# KiCad board Neptune.kicad_pcb (continued)
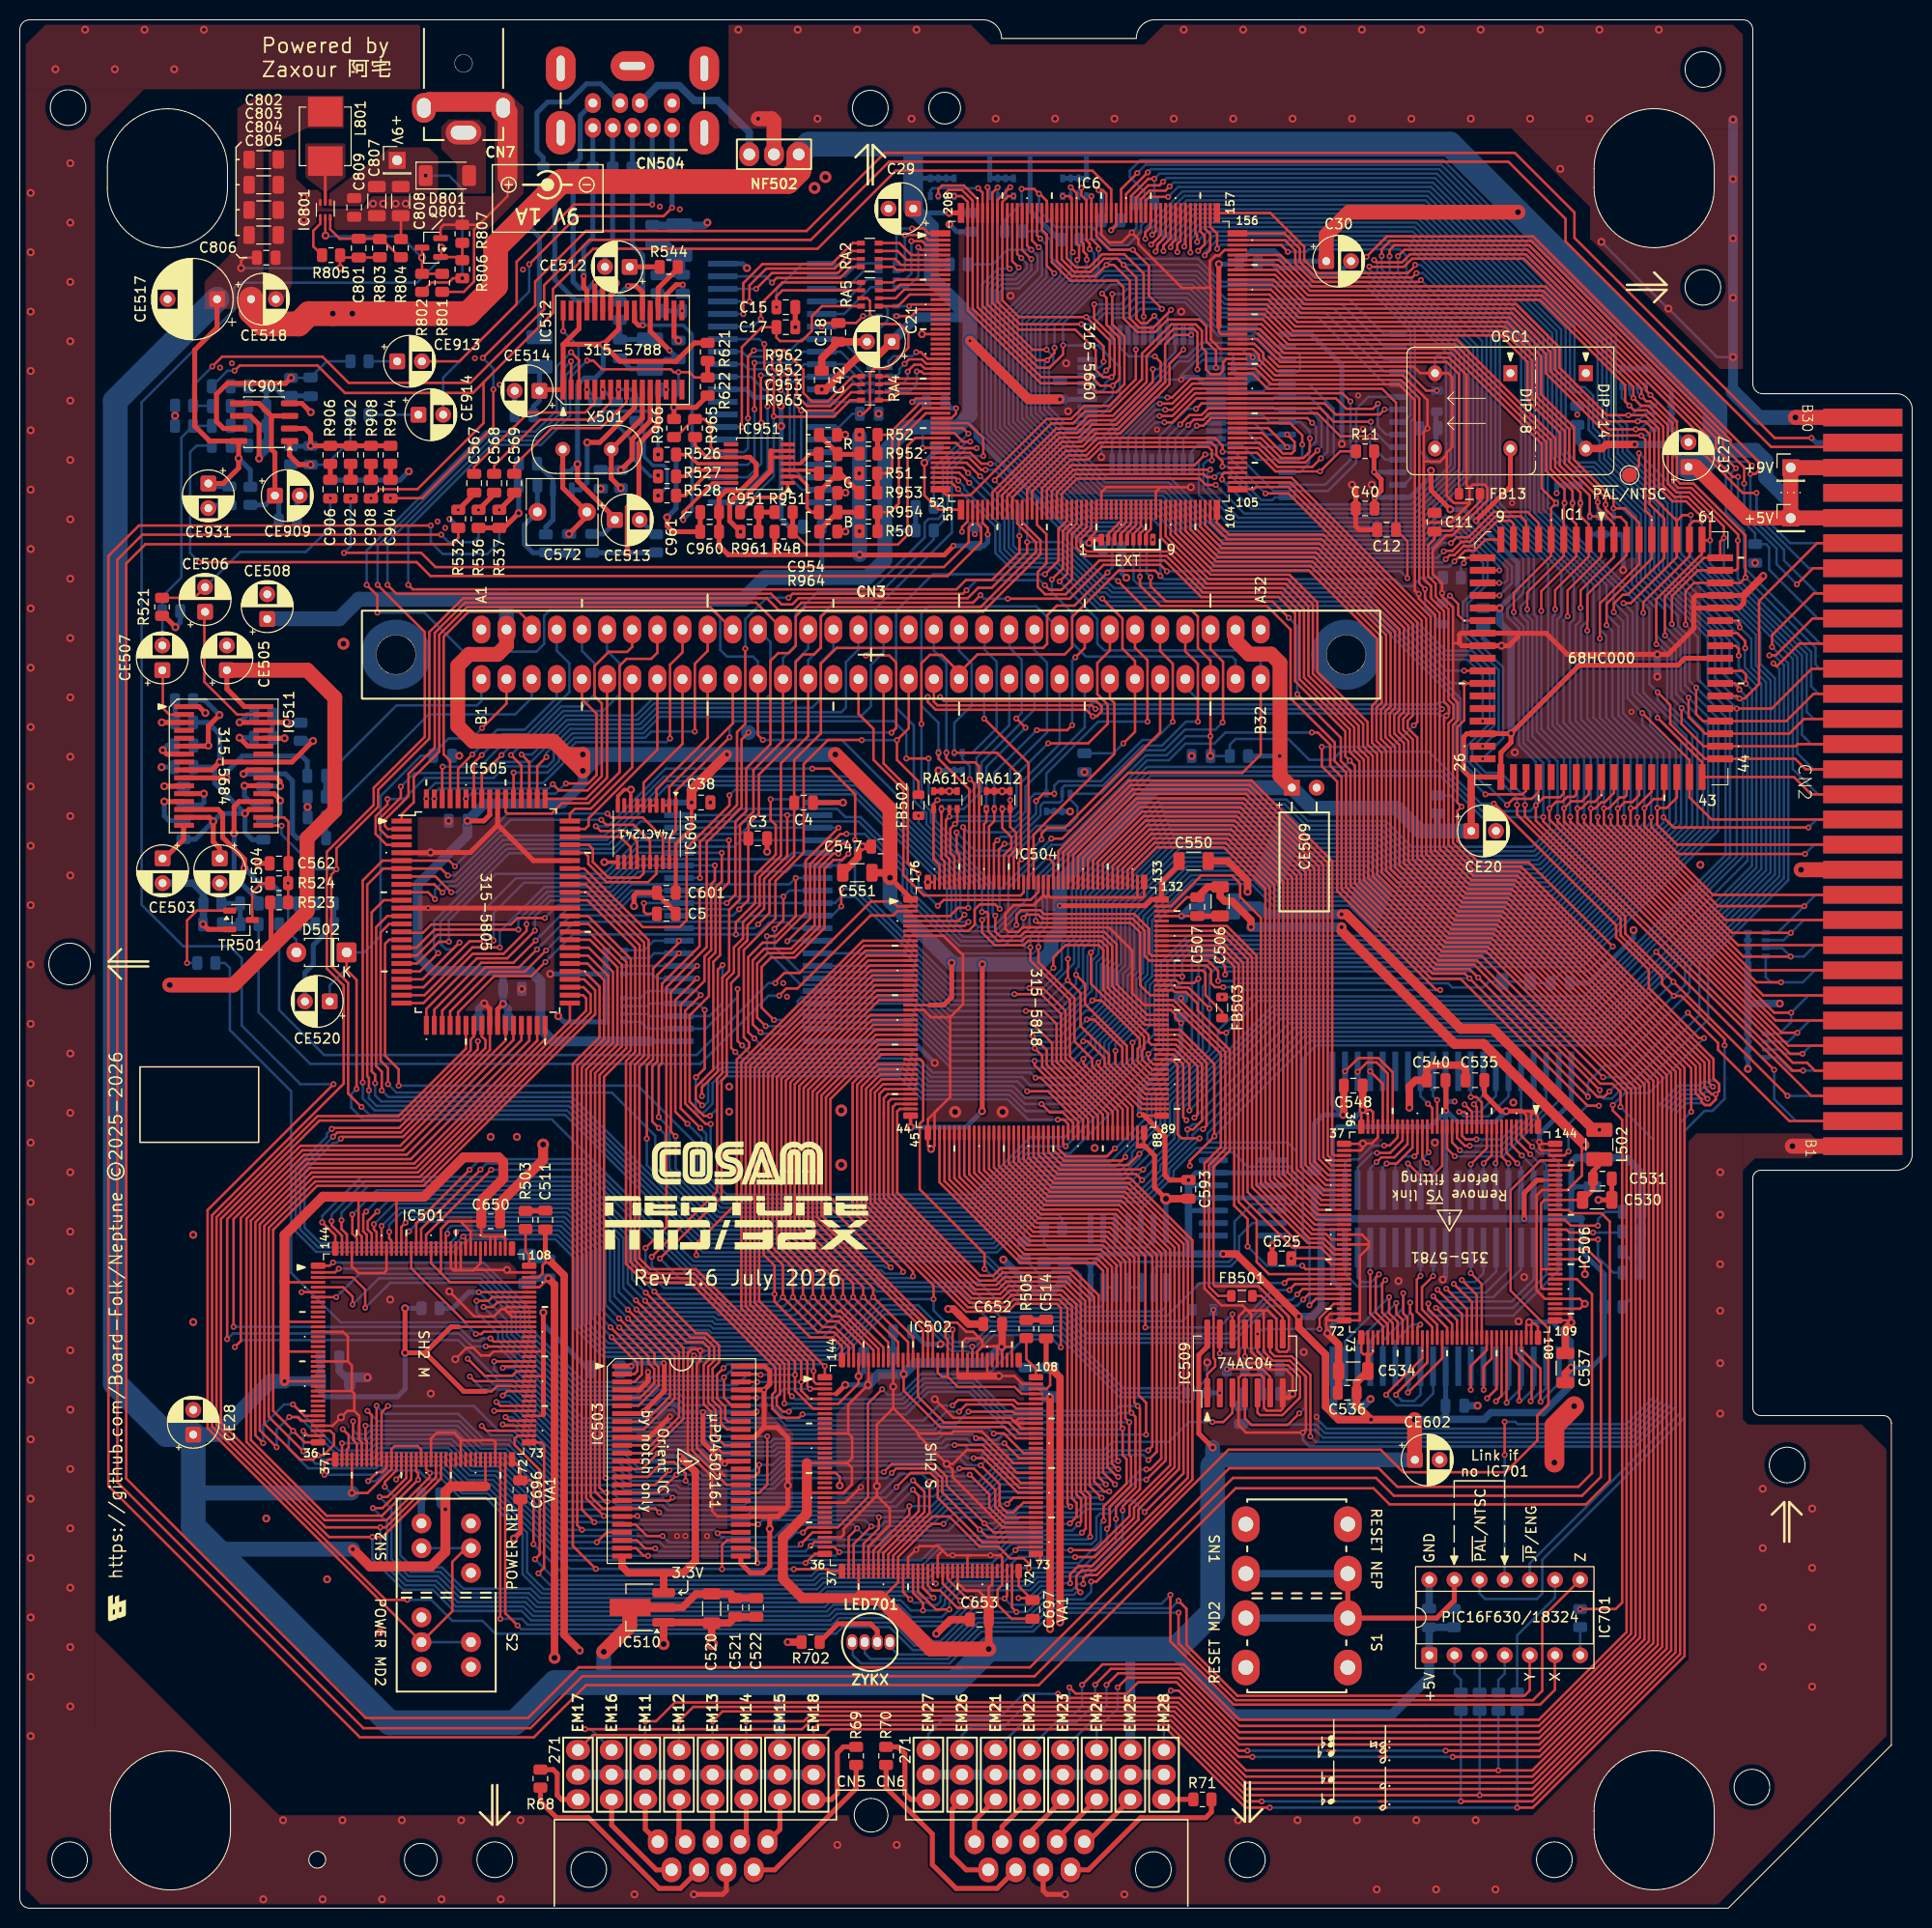
[diagram p0: board, top side]
## Routing (per net, layer and track width the routed paths; a pad name or vN(x,y) marks a point on that pad's centre or on a via; arc(x,y) is an arc through that point) (continued)
Net-(IC504B-VINT): length 48.7
  Top w0.25: IC506.63 126.2,64.1 124.97,65.33 124.97,69.58 123.15,71.4 123.15,95.39 121.24,97.3 IC504.123
Net-(IC506-COMP): length 8
  Top w0.25: v1(159.45,69) 156.7,69 156.1,69.6 155.12,69.6
  Bottom w0.25: C532.1 160.2,70.4 159.45,69.65 v1(159.45,69)
Net-(IC506-EA0): length 7.2
  Top w0.25: v1(141.5,59) 141.21,58.71 IC506.84
  Bottom w0.25: v1(141.5,59) 140.65,59 138.98,57.34 138.98,54.8
Net-(IC506-EA1): length 11.2
  Top w0.25: v1(140.48,61.22) 140.48,60.22 140.71,59.99 IC506.83
  Bottom w0.25: IC508.16 137.72,57.37 140.48,60.13 v1(140.48,61.22)
Net-(IC506-EA2): length 13.4
  Top w0.25: IC506.82 140.21,59.69 139.78,60.12 v1(139.78,62.18)
  Bottom w0.25: IC508.17 136.45,57.34 139.78,60.68 v1(139.78,62.18)
Net-(IC506-EA3): length 11.7
  Top w0.25: IC506.81 139.71,59.49 139.08,60.12 v1(139.08,61.18)
  Bottom w0.25: v1(139.08,61.18) 135.17,57.28 IC508.18
Net-(IC506-EA4): length 13.3
  Top w0.25: IC506.80 139.21,59.29 138.35,60.15 v1(138.35,61.78)
  Bottom w0.25: 133.91,54.8 133.91,57.33 v1(138.35,61.78)
Net-(IC506-EA5): length 13.9
  Top w0.25: IC506.79 138.71,59.15 137.65,60.21 137.65,63.18 v1(137.97,63.5)
  Bottom w0.25: v1(137.97,63.5) 137.33,62.85 135.15,62.85 133.91,64.09 133.91,66.8
Net-(IC506-EA6): length 12.7
  Top w0.25: v1(137.33,64.08) 137,63.75 137,60.23 138.21,59.01 IC506.78
  Bottom w0.25: v1(137.33,64.08) 136.55,63.3 135.62,63.3 135.17,63.74 IC508.23
Net-(IC506-EA7): length 9.6
  Top w0.25: v1(136.45,64.3) 136.45,60.11 137.71,58.84 IC506.77
  Bottom w0.25: v1(136.45,64.3) IC508.24
Net-(IC506-IREF): length 9.3
  Top w0.25: v1(159.45,67.6) 155.12,67.6
  Bottom w0.25: v1(159.45,67.6) 159.45,65.8 161,64.25 R509.2
Net-(IC506-OA0): length 8
  Top w0.25: v1(140.9,76) 141.21,76.31 IC506.25
  Bottom w0.25: IC507.15 138.98,75.14 139.84,76 v1(140.9,76)
Net-(IC506-OA1): length 8.2
  Top w0.25: IC506.26 140.71,76.89 139.1,75.28 v1(138.1,75.28)
  Bottom w0.25: v1(138.1,75.28) 137.71,74.89 IC507.16
Net-(IC506-OA2): length 8.7
  Top w0.25: IC506.27 140.21,77.24 138.87,75.9 137.56,75.9 v1(137.08,75.42)
  Bottom w0.25: v1(137.08,75.42) 136.44,74.78 IC507.17
Net-(IC506-OA3): length 9.3
  Top w0.25: v1(137.12,76.35) 138.45,76.35 139.71,77.61 IC506.28
  Bottom w0.25: v1(137.12,76.35) 136.65,76.35 135.17,74.87 IC507.18
Net-(IC506-OA4): length 10.2
  Top w0.25: IC506.29 139.21,77.91 138.4,77.1 v1(137.85,77.1)
  Bottom w0.25: IC507.19 133.9,75.33 134.28,75.7 135.26,75.7 136.66,77.1 v1(137.85,77.1)
Net-(IC506-OA5): length 11.5
  Top w0.25: IC506.30 138.71,84.51 137.28,85.95 135.25,85.95 v1(133.9,84.6)
Net-(IC506-OA6): length 9.3
  Top w0.25: v1(135.17,84.55) 136.12,85.5 137.09,85.5 138.21,84.38 IC506.31
  Bottom w0.25: v1(135.17,84.55) IC507.23
Net-(IC506-OA7): length 6.1
  Top w0.25: v1(136.44,84.6) 137.71,83.33 IC506.32
Net-(IC506-VREF): length 15.3
  Top w0.25: v1(158.95,68.3) 156.58,68.3 156.28,68.6 155.12,68.6
  Bottom w0.25: v1(158.95,68.3) 161.8,68.3 C533.1 161.94,68.36 R508.2 162.78,65.51 162.78,61.61 R507.1
Net-(IC506-~{ECAS}): length 10.2
  Top w0.25: v1(142.79,63.9) 141.67,62.78 141.67,60.53 143.21,58.99 IC506.88
  Bottom w0.25: v1(142.79,63.9) IC508.29
Net-(IC506-~{ELWR}): length 13
  Top w0.25: IC506.86 142.21,55.16 139.05,52 v1(139.05,51.9)
  Bottom w0.25: v1(139.05,51.9) 139.67,51.28 140.87,51.28 141.53,51.93 IC508.13
Net-(IC506-~{EOE}): length 9.9
  Top w0.25: IC506.87 142.71,58.75 141.15,60.31 141.15,63.55 v1(141.53,63.93)
  Bottom w0.25: v1(141.53,63.93) IC508.28
Net-(IC506-~{ERAS}): length 9.7
  Top w0.25: IC506.89 143.71,55.59 v1(140.25,52.12)
  Bottom w0.25: 140.25,54.8 140.25,52.13 v1(140.25,52.12)
Net-(IC506-~{EUWR}): length 15.8
  Top w0.25: IC506.85 141.71,55.61 138.05,51.95 v1(138.05,51.9)
  Bottom w0.25: v1(138.05,51.9) 139.12,50.83 141.6,50.83 142.79,52.02 IC508.12
Net-(IC506-~{OCAS}): length 5.8
  Top w0.25: IC506.21 143.21,81.69 v1(143.2,81.7)
  Bottom w0.25: v1(143.2,81.7) 142.79,82.11 IC507.29
Net-(IC506-~{OLWR}): length 6.8
  Top w0.25: v1(142.35,76.4) 142.21,76.54 IC506.23
  Bottom w0.25: IC507.13 141.52,75.57 v1(142.35,76.4)
Net-(IC506-~{OOE}): length 6.1
  Top w0.25: IC506.22 142.71,80.89 v1(142.28,81.33)
  Bottom w0.25: v1(142.28,81.33) 141.52,82.08 IC507.28
Net-(IC506-~{ORAS}): length 11
  Top w0.25: v1(140.25,75.28) 141.43,74.1 142.78,74.1 143.71,75.04 IC506.20
  Bottom w0.25: v1(140.25,75.28) IC507.14
Net-(IC506-~{OUWR}): length 6.9
  Top w0.25: v1(142.18,75.35) 141.71,75.81 IC506.24
  Bottom w0.25: v1(142.18,75.35) 142.79,74.74 IC507.12
Net-(IC509-Pad4): length 15.3
  Top w0.25: v1(129.28,50.03) 128.1,48.85 124.45,48.85 123.79,49.51 123.79,51.62
  Bottom w0.25: R506.1 129.21,54.49 129.9,53.8 129.9,50.65 v1(129.28,50.03)
Net-(IC509-Pad6): length 6.8
  Top w0.25: v1(121.97,54.49) 125.55,54.49 126.33,53.72 126.33,51.62
Net-(IC509-Pad11): length 7.9
  Top w0.25: v1(123.79,55.78) 123.79,58.54
  Bottom w0.25: R561.1 123.79,52.86 123.38,52.44 R562.2
  Bottom w0.5: v1(123.79,55.78) 123.79,55.77 R561.1
Net-(IC511-CDIN1): length 51.5
  Top w0.5: CE504.1 20.2,107.15 19.55,107.8 v2(19.55,109.87) 19.15,110.27 IC511.15 ; v2(29.62,118) 27.5,115.87 IC511.25 v2(20.2,115.87) 19.4,115.07 IC511.9 ; v2(22.75,110.67) 23.15,111.07 IC511.19
  Bottom w0.5: R518.1 28.39,118 v2(29.62,118) ; C558.2 23.5,108.02 22.75,108.77 v2(22.75,110.67) ; R520.1 19,119.87 20.2,118.67 v2(20.2,115.87) ; v2(22.75,110.67) 19.7,113.72 19.7,115.37 v2(20.2,115.87) ; v2(22.75,110.67) 20.35,110.67 v2(19.55,109.87) 17.75,108.07 C561.2 ; C563.2 19.68,115.35 v2(20.2,115.87)
Net-(IC511-FMIN1): length 16.1
  Top w0.5: v2(22.7,105.15) 22.7,106.05 20.5,108.25 20.5,110.6 20.03,111.07 IC511.14
  Bottom w0.5: v2(22.7,105.15) 24.4,103.45 25.55,103.45 26.16,102.84 C590.2
Net-(IC511-FMIN2): length 14
  Top w0.5: IC511.20 22.15,111.87 21.65,111.37 v2(21.65,108.67)
  Bottom w0.5: v2(21.65,108.67) 21.65,104.33 24.16,101.81 C588.2
Net-(IC511-HPIN1): length 5.8
  Top w0.5: IC511.3 v2(14.35,119.87)
  Bottom w0.5: v2(14.35,119.87) R520.2 R519.1
Net-(IC511-HPIN2): length 8
  Top w0.5: v2(22.2,119.87) IC511.30 v2(26.97,119.87)
  Bottom w0.5: R518.2 28.34,119.87 v2(26.97,119.87) ; v2(22.2,119.87) 23,120.67 R517.1
Net-(IC511-HPO1): length 6.3
  Top w0.25: IC511.2 15.1,120.67 14.45,121.33 14.45,125.1 CE507.1
Net-(IC511-HPO2): length 14.4
  Top w0.25: CE506.1 18.65,130.98 18.65,123.98 21.95,120.67 IC511.31
Net-(IC511-LFB1): length 5.1
  Top w0.5: IC511.12 v2(18.6,112.67)
  Bottom w0.5: C560.2 18.35,111.52 18.6,111.77 v2(18.6,112.67)
Net-(IC511-LFB2): length 5.2
  Top w0.5: v2(22.7,113.47) IC511.22
  Bottom w0.5: C559.2 23.6,111.52 22.7,112.42 v2(22.7,113.47)
Net-(IC511-LPF1): length 5.6
  Top w0.5: v2(14.6,111.87) IC511.13
  Bottom w0.5: v2(14.6,111.87) 14.6,110.42 15.05,109.97 C561.1
Net-(IC511-LPF2): length 5.4
  Top w0.5: v2(26.3,111.97) 26.3,112.06 25.69,112.67 IC511.21
  Bottom w0.5: C558.1 25.7,109.92 26.3,110.52 v2(26.3,111.97)
Net-(IC511-LPIN1): length 3.7
  Top w0.5: IC511.7 14.84,116.67 v2(14.44,117.07)
  Bottom w0.5: v2(14.44,117.07) 14.92,117.55 C557.2
Net-(IC511-LPIN2): length 4.2
  Top w0.5: v2(22.2,118.32) 23.05,117.47 IC511.27
  Bottom w0.5: v2(22.2,118.32) C556.2
Net-(IC511-LPO1): length 4
  Top w0.5: IC511.11 C560.1 v2(14.6,113.42)
  Bottom w0.5: C560.1 v2(14.6,113.42)
Net-(IC511-LPO2): length 4
  Top w0.5: IC511.23 25.95,114.27 26.3,113.92 v2(26.3,113.42)
  Bottom w0.5: C559.1 v2(26.3,113.42)
Net-(IC511-MOUT1): length 10.8
  Top w0.5: v2(20.17,120.62) 19.05,119.5 v2(19.05,117.53) 19,117.47 IC511.6
  Bottom w0.5: R519.2 18.68,122.12 v2(20.17,120.62) ; v2(19.05,117.53) 17.57,117.53 C557.1
Net-(IC511-MOUT2): length 5.7
  Top w0.5: IC511.28 v2(26.75,118.27)
  Bottom w0.5: v2(26.75,118.27) 25.6,118.27 C556.1 25.51,118.36 R517.2
Net-(IC511-REFIN): length 4.4
  Top w0.5: IC511.16 16.55,109.42 16.55,108.05 14.62,106.12 CE503.1
Net-(IC511-ROMIN1): length 15.4
  Top w0.5: v2(20.88,114.25) 20.85,114.27 IC511.10
  Bottom w0.5: v2(20.88,114.25) 20.88,114.84 22.5,116.47 28.5,116.47 29.05,115.92 C591.2
Net-(IC511-ROMIN2): length 14.4
  Top w0.5: v2(22.6,114.67) 23,115.07 IC511.24
  Bottom w0.5: v2(22.6,114.67) 26.83,114.67 27.55,113.95 27.55,108.65 28.03,108.17 C589.2
Net-(IC512-BIN1): length 2.8
  Bottom w0.35: v1(60.5,153.52) 61.81,153.52 62.3,153.03 C566.2
Net-(IC512-BIN2): length 16.1
  Top w0.25: C569.2 49.95,145.82 53.75,149.62 58.67,149.62 61.3,152.25 IC512.9
Net-(IC512-CIN): length 4.6
  Top w0.5: v1(66.99,164.12) 66.32,164.12 65.3,163.1 IC512.19
  Bottom w0.5: v1(66.99,164.12) 66.99,163.23 C577.1
Net-(IC512-COUT): length 4.3
  Top w0.5: v1(66.92,161.48) 66.92,161.49 IC512.17
  Bottom w0.5: 64.7,163.2 64.42,163.2 ; v1(66.92,161.48) C576.2 64.42,162.07 R547.1
Net-(IC512-GIN1): length 1.8
  Bottom w0.35: C565.2 60.14,152.28 v1(58.9,153.52)
Net-(IC512-GIN2): length 16.5
  Top w0.25: C568.2 47.93,145.82 52.58,150.48 57.95,150.48 59.7,152.23 IC512.7
Net-(IC512-PDO): length 24.3
  Top w0.5: v2(61.39,137.03) 61.38,137.04 61.38,141.62 62.55,142.8 62.55,148.07 64.5,150.03 IC512.13
  Bottom w0.5: R549.1 64.26,137.03 v2(61.39,137.03) C579.1
Net-(IC512-RIN1): length 1.6
  Bottom w0.35: C564.2 58.12,152.69 v1(57.3,153.52)
Net-(IC512-RIN2): length 16.9
  Top w0.25: C567.2 45.91,145.7 51.41,151.2 57.12,151.2 58.1,152.18 IC512.5
Net-(IC512-VIN): length 0.7
  Bottom w0.5: C621.2 65.29,153.53 v1(65.3,153.52)
Net-(IC512-VOUT): length 5.2
  Top w0.5: R544.1 66.48,165.76 64.5,163.78 IC512.20
Net-(IC512-YA): length 14
  Top w0.5: IC512.10 62.1,151.68 58.6,148.18 v2(57.32,148.18)
  Bottom w0.5: 55.78,143.39 56.59,143.39 57.32,144.12 v2(57.32,148.18)
Net-(IC512-YB): length 11.7
  Top w0.5: v2(60.72,143.56) 59.75,144.53 X501.2 62.9,150.62 IC512.11
Net-(IC512-YC): length 11.4
  Top w0.5: v2(60.72,145.39) 61.85,146.51 61.85,148.48 63.7,150.32 IC512.12
  Bottom w0.5: C573.2 58.71,145.39 v2(60.72,145.39)
Net-(IC512-YIN): length 12.9
  Top w0.5: v1(65.65,157.48) 63.7,159.43 IC512.21
  Bottom w0.5: 60.65,156.68 61.71,155.61 L605.2 64.31,155.61 65.28,156.57 C575.1 v1(65.65,157.48)
Net-(IC512-YOUT): length 5.5
  Top w0.5: v1(61.45,164) 62.28,164 62.9,163.38 IC512.22
  Bottom w0.5: v1(61.45,164) 60.62,163.18 R545.1
Net-(IC515A-~{Q}): length 17.1
  Bottom w0.25: IC516.9 114.53,64.6 114.82,64.89 122.36,64.89 123.19,65.72 123.19,67.91 124.54,69.26 IC515.6
Net-(IC515A-~{R}): length 21.7
  Bottom w0.25: IC516.3 IC516.4 IC516.5 ; 113.26,68.66 113.26,70.69 116.57,74 116.57,74.54 118.88,76.85 126.13,76.85 126.54,76.44 IC515.1
Net-(IC516-Pad1): length 10.8
  Bottom w0.25: R559.2 101.47,68.33 103.26,70.12 104.91,70.12 105.31,69.72 R560.1 105.32,68.71 IC516.1 IC516.2
Net-(IC516-Pad6): length 14.2
  Bottom w0.25: R560.2 103.49,67.21 103.92,66.78 113.74,66.78 114.53,67.57 IC516.6
Net-(IC516-Pad10): length 1.3
  Bottom w0.25: IC516.10 IC516.11
Net-(IC701-RA0): length 42.2
  Top w0.5: 134.17,34.35 S1.2 143.16,29.33 144.94,31.12 144.94,33.19
  Bottom w0.5: 144.94,33.19 144.94,30.28 R701.2
  Bottom w0.75: SN1.2 SN1.2 ; S1.2 S1.2
Net-(IC701-RA3/~{MCLR}): length 4.1
  Bottom w0.25: R706.1 149.39,23.07 150.03,23.72 IC701.4
Net-(IC701-RA4): length 3.8
  Bottom w0.25: R705.1 IC701.3
Net-(IC701-RA5): length 4.1
  Bottom w0.25: IC701.2 144.96,23.72 145.6,23.08 R704.1
Net-(IC701-RC1): length 13
  Bottom w0.25: R707.1 151.29,21.79 151.29,21.8 151.29,27.58 155.11,31.41 IC701.9
Net-(IC701-RC3): length 2.8
  Bottom w0.25: IC701.7 R708.1
Net-(IC801-EN): length 17.2
  Top w0.25: R801.1 R802.2 v2(40.64,166.85) 40.64,167.86 Q801.3
  Top w0.254: IC801.5 30.86,169.11 v2(30.89,169.09)
  Bottom w0.254: v2(40.64,166.85) 38.48,169.01 30.97,169.01 v2(30.89,169.09)
Net-(IC801-SW): length 4.2
  Top w0.3: IC801.2 L801.1
Net-(IC801-VBST): length 4.5
  Top w0.254: R805.1 29.66,167.99 29.66,169.58 30.36,170.29 IC801.4
Net-(IC801-VFB): length 9.6
  Top w0.25: IC801.6 31.36,169.73 32.33,168.77 C801.2 36.53,168.77 38.4,166.9 R804.1 38.51,166.87
Net-(IC901A-+): length 19.4
  Top w0.5: IC901.3 25.41,150.86 ; 25.41,150.86 25.41,147.49 25.78,147.12 CE909.1 ; 25.41,150.86 24.14,152.12 IC901.5
  Bottom w0.5: R914.2 26.16,142.41 CE909.1 24.84,141.86 R913.1
Net-(IC901A--): length 13.6
  Top w0.5: IC901.2 28.81,149.59 29.38,149.02 v2(29.38,147.83) ; v2(29.38,147.83) 31.37,147.83 R906.2 R904.2 ; v2(29.38,147.83) 29.35,147.8
  Bottom w0.5: R916.1 29.34,147.79 v2(29.38,147.83)
Net-(IC901B--): length 18.2
  Top w0.5: v2(24.17,146.55) 24.17,149.98 23.29,150.86 IC901.6
  Bottom w0.5: R905.2 24.91,147.28 v2(24.17,146.55) ; C911.1 29.34,152.88 R915.1 26.62,152.88 25.65,153.85 R907.1 24.91,150
Net-(IC951-CH1_IN): length 6.4
  Top w0.35: C951.2 74.28,142.62 76.8,142.62 77.59,143.41 IC951.1
Net-(IC951-CH2_IN): length 6
  Top w0.35: C954.2 79.95,141.12 79.55,141.53 79.55,143.85 78.67,144.73 IC951.2
Net-(IC951-CH3_IN): length 3.3
  Top w0.35: C953.2 80.39,145.38 IC951.3
Net-(IC951-CH4_IN): length 3.5
  Top w0.35: C952.2 79.82,147 78.85,146.03 IC951.4
Net-(LED701-K): length 8
  Top w0.5: LED701.3 86.63,28.06 85.95,28.75 82.66,28.75 R702.1
Net-(OSC1-OUT): length 3.6
  Bottom w0.5: FB1.1 143.08,151.19 143.08,149.71 ; 143.08,149.51 143.08,147.65 OSC1.8 142.97,147.56
Net-(TR501-B): length 10.1
  Top w0.25: v1(16.9,95.55) 16.9,99.85 17.9,100.85 TR501.1
  Bottom w0.25: v1(16.9,95.55) R525.1
Net-(TR501-C): length 5
  Top w0.25: R524.1 25.28,103.61 24.38,103.61 23.49,102.71 TR501.3
Net-(TR502-C): length 62.2
  Top w0.5: IC512.30 56.5,159.68 54.92,158.1 ; IC512.25 60.5,159.62 v2(58.95,158.07) ; 54.92,158.1 54.9,158.07 IC512.1 52.63,153.52 CE514.1 ; 54.92,158.1 58.92,158.1 v2(58.95,158.07) ; v2(58.95,158.07) 60.65,156.38 66.3,156.38 68.16,158.24 R621.2 ; v2(56.35,145.98) 56.35,144.3 60.17,140.48 60.17,140.34
  Bottom w0.5: TR502.3 55.64,145.26 v2(56.35,145.98) 56.35,154 57.05,154.69 58.14,154.69 58.95,155.5 v2(58.95,158.07) ; 52.5,155.75 CE514.1 52.5,152.4 51.9,151.8 C580.2 ; C579.2 58.97,138.93 60.17,140.12 60.17,140.34
Net-(TR502-E): length 8.1
  Bottom w0.5: R539.1 53.88,144.41 TR502.2 53.88,140.35 53.15,139.62 R540.1

## Copper pours and planes (outline as drawn; the poured copper is in the pictures)
+9V on Top: 37.45,178 41.3,178 42.28,177.03 42.28,173.33 35.44,173.33 34.55,172.06 31.28,172.06 31.28,173.36
AVCC on Top: 94.05,32.95 98.32,32.95 98.4,32.88 98.4,30.38 95.78,30.38 95.78,31.22
AVCC on Top: 32.77,179.93 28.96,179.93 24.6,177.9 24.6,161.65 18.67,161.65 18.67,164.44 21.97,168 21.97,181.97 23.88,183.24 32.78,183.24
AVCC on Top: 150.1,80.83 152.92,80.83 153.35,80.4 153.35,80.06 152.08,80.06 152.08,80.12 151.87,80.33 150.3,80.33 150.1,80.53
AVCC on Top: 42.42,68.34 42.42,68.82 43.54,69.95 46.24,69.95 46.91,69.28 46.91,68.33 49,68.33 49.17,68.16 49.17,67.51 48.97,67.69 45.42,67.69 45.42,68.54 44.63,69.33 43.41,69.33
AVCC on Top: 95.2,56.6 94.8,57 94.8,59.33 94.97,59.5 95.28,59.5 96.84,57.94 100.34,57.94 100.5,57.78 100.5,56.72 100.38,56.6
AVCC on Top: 82.5,50 85.4,52.9 85.4,54.2 86.2,54.2 86.2,52.2 85.32,51.33 85.32,43.75 83.25,41.68 82.5,41.68
AVCC on Bottom: 171.7,152.62 177.15,147.18 177.15,146.4 176.96,146.21 176.56,146.21 175.75,147.03 172.28,147.03 171.25,148.05 171.25,152.25 171.62,152.62
AVCC on Bottom: 47.7,131.82 48.8,130.73 49.57,130.73 50.65,131.8 50.35,132.1 47.97,132.1
GND on Top: 101.5,53.33 100.42,54.4 90.8,54.4 90.8,51.9 93.6,49.1 99,49.1 100.1,48 101.5,48
GND on Top: 7.62,18.4 0.6,18.4 0.6,188.4 2.6,190.4 19.1,190.4 19.1,185.4 17.57,183.88 12.57,183.88 7.6,178.9
GND on Top: 124.45,159.73 124.45,144.35 127.07,141.73 130.67,141.73 140.6,131.8 140.6,122.1 143.29,119.41 144.81,119.41 145.81,120.41 145.83,122.81 145.43,123.22 145.43,125.83 147.2,127.6 147.2,129 146.3,129.9 146.3,138.7 148.6,141 154.72,141 154.72,147.25 147.6,154.37 147.6,156.5 144.37,159.73
GND on Top: 40.45,183.88 0.6,183.88 0.6,188.4 2.6,190.4 40.34,190.4 40.45,190.29
GND on Top: 2.8,32.8 26.2,9.4 152.83,9.4 168.6,25.18 168.6,77.53 169.4,78.33 174.1,78.33 174.1,49.4 174.6,48.9 186.1,48.9 188.6,46.4 188.6,17.4 171.6,0.4 2.1,0.4 0.6,1.9 0.6,32.8
GND on Top: 31.38,65.33 49.47,65.33 50.17,64.62 50.17,47.12 49.67,46.62 31.78,46.62 31.38,47.03
GND on Top: 174.1,179.9 174.1,155.6 171.8,155.6 158.65,168.75 158.65,171.98 150.72,179.9
GND on Top: 71.3,55.2 71.5,55 71.5,35.3 62.3,35.3 62.3,55.2
GND on Top: 25.13,177.77 25.13,162.5 26.63,162.5 27.54,164.19 27.54,169.65 47.28,169.65 50.91,173.33 50.91,182.09 49.37,183.59 47.99,183.59 47.99,173.48 47.57,173.07 40,173.07 40,173.71 31.57,173.71 30.2,173.71 29.06,173.71 27.92,174.85 27.92,177.77
GND on Top: 94.85,169.7 121.5,169.7 121.5,142.95 94.85,142.95
GND on Top: 91.2,102.4 91.2,79.5 114.1,79.5 114.1,102.4
GND on Top: 54,110.32 54,90.8 53.9,90.7 40.4,90.7 40.2,90.9 40.2,110.32
GND on Top: 71.6,190.4 71.6,180.5 72.2,179.9 174.1,179.9 174.1,189.4 173.1,190.4 115.6,190.4 113.6,188.4 98.1,188.4 96.1,190.4
GND on Top: 135.2,59 135.2,77.5 135.5,77.8 153.8,77.8 154,77.6 154,59.7 153.2,58.9 135.3,58.9
GND on Top: 174.1,78.33 180.87,78.33 181.5,77.7 181.5,76.4 180.9,75.8 175.3,75.8 174.1,74.6
GND on Top: 86.7,54.2 90.7,54.2 90.7,52 93.6,49.1 99,49.1 100,48.1 100,42.8 101.5,41.3 101.5,35.9 100.9,35.3 83.1,35.3 82.5,35.9 82.5,41.35 83.28,41.35 85.8,43.88 85.8,51.5 86.7,52.4
GND on Top: 150.37,116.22 149.77,116.82 149.77,136.02 150.27,136.52 169.27,136.52 169.87,135.92 169.87,116.52 169.57,116.22
GND on Top: 75.2,51.5 74.3,50.6 74.3,39.35 76.89,39.35 78.1,40.52 78.1,48.08 77.28,48.9 76.92,48.9 75.6,50.22 75.6,51.1
GND on Top: 118.75,63.25 125.6,63.25 129.46,59.39 131.69,61.6 132.7,61.6 132.7,57.5 131.32,56.12 131.32,47.3 130.8,46.78 118.75,46.78
GND on Top: 67.1,55.2 67.1,56.27 68.07,57.24 69.04,57.24 69.5,56.78 69.5,56.4 68.9,55.8 68.9,55.2
GND on Bottom: 102.97,164.72 120.92,164.72 120.92,142.95 102.97,142.95
GND on Bottom: 40.45,183.88 0.6,183.88 0.6,188.4 2.6,190.4 40.34,190.4 40.45,190.29
GND on Bottom: 71.6,190.4 71.6,182.73 74.43,179.9 174.1,179.9 174.1,189.4 173.1,190.4 115.6,190.4 113.6,188.4 98.1,188.4 96.1,190.4
GND on Bottom: 82.58,9.4 82.58,11.15 84.38,12.95 87.63,12.95 89.43,11.15 89.43,9.4
GND on Bottom: 131.9,64 157.5,64 157.5,57.6 131.9,57.6
GND on Bottom: 145.4,158.15 145.4,146.8 143.75,145.15 141.08,145.15 140.72,145.5 140.72,159.25 141.7,160.23 143.33,160.23
GND on Bottom: 70.7,83.7 103.57,83.7 108.17,79.1 105.17,76.1 105.17,72.78 104.2,71.8 71.1,71.8 70.7,72.2
GND on Bottom: 118.57,158.62 124.82,158.62 125.75,157.7 125.75,156.23 123.42,153.9 119.78,153.9 118.47,155.2 118.47,158.53
GND on Bottom: 174.1,49.9 168.6,49.9 168.6,74.3 172.62,78.33 180.87,78.33 181.6,77.6 181.6,76.5 180.9,75.8 175.3,75.8 174.1,74.6
GND on Bottom: 174.1,179.9 174.1,153.1 173.45,152.45 172.9,152.45 145.45,179.9
GND on Bottom: 2.8,32.8 26.2,9.4 152.83,9.4 168.6,25.18 168.6,49.9 174.1,49.9 174.1,49.4 174.6,48.9 186.12,48.9 188.62,46.4 188.6,17.4 171.6,0.4 2.1,0.4 0.6,1.9 0.6,32.8
GND on Bottom: 132.38,81.88 157.5,81.88 157.5,75.4 132.38,75.4
GND on Bottom: 7.6,18.4 0.6,18.4 0.6,188.4 2.6,190.4 22.7,190.4 22.7,178.48 18.28,182.9 11.6,182.9 7.6,178.9
GND on Bottom: 129.72,159.38 137.65,159.38 137.65,142.1 129.72,142.1
GND on Bottom: 131.9,57.6 131.9,61.33 131.6,61.33 129.5,59.22 123.12,59.22 116.92,53.03 116.92,51 119.87,48.06 120.97,48.05 122.47,46.55 130.9,46.55 131.67,47.33 131.67,57.38
GND on Bottom: 72.8,166.73 79.1,166.73 79.1,141.5 72.8,141.5
GND on Bottom: 21.97,190.4 21.97,164.19 44.2,164.19 44.2,164.79 46.28,164.79 46.28,168.66 51.2,173.58 51.2,177.1 41.1,177.1 41.1,179.9 43.1,181.9 46.55,181.9 48.55,179.9 48.55,177.1 51.2,177.1 51.2,190.38 51.19,190.4
GND on Bottom: 137.3,133.9 144.08,127.12 145.43,127.12 145.44,134.48 137.85,134.48 137.3,133.93
GND on In1.Cu: 102.55,60.72 101.12,60.72 100.53,60.12 100.53,51.55 100.92,51.15 103.85,51.15 103.85,30.18 103.5,29.83 103.5,28.75 100.6,25.8 81.42,25.78 61.25,25.78 59.2,27.83 53.15,27.82 53.15,62.43 53.7,62.43 54.58,63.31 54.57,80.51 65.03,90.97 77.97,90.97 85.15,98.15 88.5,98.15 89.25,98.9 89.25,100.28 89.42,100.45 91.3,100.45 91.3,101.65 102.55,101.65
GND on In1.Cu: 110.9,169.35 110.6,169.05 110.2,169.05 109.62,169.62 109.62,171.45 110.9,171.45
GND on In1.Cu: 95.57,140.2 92.61,137.24 90.09,137.24 89.3,138.03 89.3,137.25 42,137.25 39,140.25 12.38,140.25 11.05,138.93 11.05,135.55 11.15,135.45 39.78,135.45 41.05,134.18 93.97,134.18 98.05,138.25 98.05,139.62 97.47,140.2
GND on In1.Cu: 151.4,43.65 139.58,43.65 137.47,45.75 122.12,45.75 106.55,30.18 103.85,30.18 103.85,51.15 105.28,51.15 105.57,51.45 105.57,55.08 104.92,55.72 104.92,60.12 104.32,60.72 102.55,60.72 102.55,131 137.9,131 140.6,128.3 140.6,124.6 142.6,122.6 142.6,108 162,88.6 162,79.25 161.08,80.18 151.4,80.18
GND on In1.Cu: 88.97,101.45 90.75,101.45 90.9,101.3 90.9,100.8 90.75,100.65 89,100.65 88.8,100.45 88.8,100.03 88.3,99.53 86.12,99.53 77.97,91.38 76.32,91.38 75.47,92.22 75.47,94.22 76.55,95.3 78.5,95.3 85.8,102.6 88.17,102.6 88.85,101.93 88.85,101.58
GND on In1.Cu: 57,172.98 55.78,172.98 49.6,166.8 49.6,162.95 57,162.95
GND on In1.Cu: 157.6,59.4 157.1,59.9 153.9,59.9 152.6,61.2 152.6,72.3 153.6,73.3 156,73.3 157.28,74.58 157.28,79.18 158.28,80.18 151.4,80.18 151.4,43.65 156.85,43.65 157.6,44.4
GND on In1.Cu: 54.85,80.8 54.85,71.28 54.05,72.08 50.32,72.08 49.7,71.45 49.7,63.1 50.38,62.43 53.15,62.43 53.15,27.83 45.65,20.33 37.7,20.33 16.03,42 16.03,68.72 30.7,83.4 30.7,107.12 35.17,111.6 35.17,116.83 40.5,122.15 40.5,133.78 40.67,133.6 94.4,133.6 98.4,137.6 98.4,131 102.55,131 102.55,101.65 89.35,101.65 89.22,101.78 89.22,101.97 88.32,102.88 85.72,102.88 78.47,95.62 76.07,95.62 75.12,94.68 75.12,91.65 75.8,90.97 65.03,90.97
GND on In1.Cu: 190.4,149.38 190.4,147.03 176.6,147.03 155.32,168.3 155.36,170.33 149.72,175.9 109.4,175.9 109.4,178.7 150.85,178.7 157.9,171.65 157.92,169.1 177.64,149.38
GND on In1.Cu: 161.3,72.9 161.3,79.28 160.95,79.62 158.53,79.62 157.7,78.8 157.7,74.28 156.33,72.9
GND on In1.Cu: 161.73,92.05 161.73,42.75 158.8,39.5 137.5,39.5 136.95,40.05 130.75,40.05 130.75,0.8 145.4,0.8 173.15,28.55 173.15,92
GND on In1.Cu: 71.53,167.49 71.04,167.01 71.06,148.03 57.05,148.03 57,148.07 57,172.98 68.28,172.98 71.53,169.73
GND on In1.Cu: 53.2,62.68 50.7,62.68 50.2,63.18 50.2,71.28 50.6,71.68 53.7,71.68 54,71.38 54,63.47
GND on In1.Cu: 110.9,171.45 109.64,171.45 109.64,172.57 108.7,173.5 108.7,173.9 105,177.6 113.75,177.6 110.9,174.75
GND on In1.Cu: 78.32,144.75 73.55,144.75 65.3,153 65.3,155 61.7,155 61.7,154.4 59.03,151.73 49.42,151.73 38.72,141.03 38.72,140.53 42,137.25 78.32,137.25
GND on In1.Cu: 40.5,133.78 39.5,134.78 24.17,134.78 23.28,133.88 23.28,129.45 25.28,127.45 30.45,127.45 35.17,122.73 35.17,116.83 40.5,122.15
GND on In1.Cu: 32.5,140.12 8.8,140.12 8.8,160.35 14.03,160.35 16.35,158.05 28.57,158.05 30.12,159.6 32.5,159.6
GND on In1.Cu: 153.9,72.9 153.1,72.1 153.1,61.5 154.2,60.4 157.3,60.4 158.1,59.6 161.3,59.6 161.3,72.9
GND on In1.Cu: 91.75,152.55 90.17,152.55 89.88,152.25 89.88,152.23 87.57,149.93 85.67,149.93 85.67,137.25 90.38,137.25 90.38,147.82 90.94,148.4 91.75,148.4
GND on In1.Cu: 49.6,162.95 54.22,162.95 54.22,151.07 50.74,147.59 50.74,146.84 50.96,146.61 44.45,140.1 32.53,140.1 32.5,140.12 32.5,159.6 46.25,159.6
GND on In1.Cu: 104.32,60.28 104.6,60 104.6,55.6 105.07,55.12 105.07,51.68 104.8,51.4 101.4,51.4 100.9,51.9 100.9,60.1 101.07,60.28
GND on In1.Cu: 95.57,142.43 95.7,142.56 97.37,142.56 97.47,142.45 97.47,140.2 95.57,140.2
GND on In1.Cu: 94.3,152.55 94.92,151.93 94.92,150.95 94.6,150.62 91.95,150.62 91.75,150.43 91.75,152.55
GND on In1.Cu: 85.67,149.93 79.65,149.93 78.22,148.5 71.92,148.5 68.3,152.12 68.3,153.08 66.39,155 65.3,155 65.3,149.85 70.4,144.75 76.45,144.75 78.32,142.88 78.32,137.25 85.67,137.25
GND on In1.Cu: 9.59,134.69 11.88,136.98 24.07,136.98 22.22,135.12 22.22,129.25 25.22,126.25 29.6,126.25 33.32,122.53 33.32,110.43 30.1,107.2 30.1,90.18 29.62,89.7 24.88,89.7 23.15,91.43 23.15,121.12
GND on In1.Cu: 89.97,152.88 87.55,150.45 79.45,150.45 77.9,148.9 72.55,148.9 72,149.45 72,165.7 73.28,166.98 81.88,166.98 89.4,174.5 107.57,174.5 108.4,173.68 108.4,173.45 109.4,172.35 109.4,169.4 109.99,168.81 110.79,168.81 111.1,169.12 111.1,174.3 112.3,175.5 146.8,175.5 179.12,143.18 190.4,143.18 190.4,75.9 174.7,75.9 142.6,108 142.6,122.6 140.6,124.6 140.6,128.3 137.9,131 98.4,131 98.4,139.9 98,140.3 98,142.3 97.55,142.75 95.53,142.75 95.15,142.37 95.15,140.26 94.94,140.06 92.82,140.06 90.86,142.02 90.86,146.38 92.38,147.95 92.38,147.95 92.38,150.31 94.78,150.31 95.1,150.63 95.1,152.1 94.32,152.88
GND on In1.Cu: 173.15,48.35 183.65,48.35 185.53,46.47 185.53,16.47 169.85,0.8 145.4,0.8 173.15,28.55
GND on In1.Cu: 130.75,40.05 121.72,40.05 102.95,21.28 57.88,21.28 50.03,13.43 50.03,0.8 130.75,0.8
GND on In1.Cu: 9.59,134.69 9.59,91.97 9.67,91.88 22.7,91.88 23.15,91.43 23.15,121.12
GND on In1.Cu: 30.12,159.6 27.85,161.88 27.85,163.75 27.22,164.38 25.05,164.38 24.75,164.07 24.75,160.4 18,160.4 18,163.85 17.47,164.38 8.5,164.38 6.17,162.05 6.17,41.75 31.17,16.75 35.22,16.75 35.22,17.88 10.3,42.8 10.3,87.53 14.65,91.88 13.9,91.88 11.88,93.9 11.88,134.93 12.6,135.65 12.6,140.65 9.47,143.78 9.47,158.05 11.17,159.75 13.67,159.75 15.38,158.05 28.57,158.05
GND on In1.Cu: 109.4,178.7 109.4,174.93 88.97,174.93 81.35,167.3 69.62,167.3 69.62,170.88 79.88,170.88 87.7,178.7
GND on In2.Cu: 142.3,157.05 145.08,157.05 145.08,152.55 142.3,152.55 142.3,43.4 139.03,43.4 138.15,44.28 122.47,44.28 107.8,29.6 104.55,29.6 104.4,29.45 104.4,50.6 105.14,50.6 105.5,50.95 105.5,55.25 103.88,56.87 101.7,56.87 101.7,134 82.03,134 82.03,137.88 85.67,137.88 86.7,138.9 86.7,144.38 92.32,150 94.65,150 96,151.35 96,165.51 96.52,166.03 96.52,174.67 97.65,175.8 107.07,175.8 108.4,174.48 108.4,170.28 110.3,168.38 111.5,168.38 112.05,168.93 112.05,174.32 111.05,175.32 111.05,179.35 142.3,179.35
GND on In2.Cu: 18.55,161.23 21.57,161.23 21.57,160.88 13.03,152.33 13,133.45 13,101.8 13.4,101.4 13.4,97.7 0.6,97.7 0.6,168.38 11.4,168.38
GND on In2.Cu: 171.03,46.45 173.47,48.9 186.12,48.9 188.62,46.4 188.65,17.4 171.67,0.4 56.25,0.4 49.57,7.08 49.57,14.35 55.72,20.5 98.67,20.5 101.92,23.75 106.65,23.75 122.95,40.05 136.97,40.05 137.53,39.5 151.72,39.5 156.58,44.35 156.58,45.68 155.8,46.45
GND on In2.Cu: 111.05,175.32 106.5,179.88 74.32,179.88 73.12,181.07 73.12,189.03 74.47,190.38 96.12,190.38 98.1,188.4 113.6,188.4 115.6,190.4 173.1,190.4 174.1,189.4 174.1,151.6 146.35,179.35 111.05,179.35
GND on In2.Cu: 13.4,101.4 13.4,97.7 20.1,91 20.1,36.65 37.32,19.43 46.53,19.43 52.37,25.27 52.37,25.97 53.4,27 60.03,27 62.75,24.28 93.97,24.28 97.3,27.6 102.55,27.6 104.4,29.45 104.4,50.6 100.7,50.6 100,51.3 100,55.17 101.7,56.87 101.7,134 78,134 76.65,132.65 76.65,95.15 78.4,93.4 78.4,91.9 77.1,90.6 75.3,90.6 69,84.3 51.5,84.3 51.47,67.35 54.15,67.35 55,66.5 55,63.3 53.82,62.12 50.5,62.12 49.78,62.85 49.78,66.45 50.67,67.35 51.47,67.35 51.5,84.3 28.2,84.3 22.8,89.7 22.8,96.3 21.4,97.7 17.1,97.7
GND on In2.Cu: 53.9,66.88 54.4,66.38 54.4,63.38 53.7,62.68 50.73,62.68 50.3,63.11 50.3,66.47 50.7,66.88
GND on In2.Cu: 52.6,172.8 51.8,173.6 51.8,187.2 54.2,189.6 70.1,189.6 72.1,187.6 72.1,180.3 73.7,178.7 73.7,173.5 68.3,168.1 68.3,158.4 57.3,158.4 57.3,159.8 56.57,160.53 52.1,160.53 50.9,159.32 50.9,163.7 52.6,165.4
GND on In2.Cu: 54.05,152.18 54.05,159.68 54.57,160.2 56.4,160.2 56.8,159.8 56.8,158.32 58.25,156.88 58.25,156.1 57.62,155.48 56.72,155.48 55.8,154.56 55.8,152.18
GND on In2.Cu: 104.03,56.1 105.01,55.12 105.01,51.61 104.52,51.12 101.18,51.12 100.6,51.7 100.6,55.09 101.61,56.1
GND on In2.Cu: 32.3,87 32.3,84.6 28.5,84.6 23.2,89.9 23.2,96.9 21.9,98.2 17.6,98.2 13.4,102.4 13.4,133.03 14.75,134.38 14.75,152.55 22.4,160.2 43.5,160.2 52.6,169.3 55.35,169.3 55.35,161.7 53.57,159.93 53.57,151.8 51.71,149.94 46.92,149.95 33.08,136.07 24.07,136.07 22.1,134.1 22.1,129 28.7,122.4 45.1,122.4 46.7,124 46.6,124 48.5,122.1 49.8,122.1 51.8,124.1 52.6,124.1 52.6,122.3 50.4,120.1 42,120.1 32.5,110.6 32.5,98.8 30.1,96.4 30.1,89.2
GND on In2.Cu: 0.6,97.7 13.4,97.7 20.1,91 20.1,40.6 40,20.7 40,0.4 2.1,0.4 0.6,1.9
GND on In2.Cu: 63.8,133.3 68.8,138.3 68.8,167.8 72.15,171.15 81.38,171.15 85.48,175.26 94.57,175.26 94.79,175.04 94.79,167.04 93.85,166.1 93.85,156.75 87.05,149.95 83.37,149.95 82.63,149.22 82.63,134 78,134 77.3,133.3
GND on In2.Cu: 74.3,93.5 75.3,94.5 76.78,94.5 78,93.28 78,92.1 76.8,90.9 75.2,90.9 68.9,84.6 32.3,84.6 32.3,87 68.1,87 74.3,93.2
GND on In2.Cu: 35.3,135.82 39.97,135.82 39.97,139.8 47.95,147.78 52.75,147.78 55.8,150.82 55.8,152.18 54.05,152.18 54.05,151.57 51.92,149.45 46.85,149.45 35.3,137.9
GND on In2.Cu: 40.67,137.7 42.67,135.7 65.2,135.7 68.3,138.8 68.3,158.4 57.3,158.4 58.57,157.12 58.57,155.9 57.86,155.18 56.8,155.18 56.03,154.4 56.03,150.5 52.92,147.4 48,147.4 40.67,140.07
GND on In2.Cu: 23.12,160.2 24.72,161.8 24.72,163.48 25.05,163.8 26.82,163.8 30.42,160.2
GND on In2.Cu: 24.5,135.5 23,134 23,129.3 29,123.3 42.2,123.3 45.6,126.7 46.7,126.7 49.2,124.2 51.7,126.7 51.8,126.7 53.2,125.3 53.2,122.1 50.8,119.7 42.8,119.7 33.4,110.3 33.4,98.7 30.6,95.9 30.6,90.1 33.4,87.3 68,87.3 73.8,93.1 73.8,93.5 75.15,94.85 77.3,94.85 77.3,134.18 41.89,134.18 38.18,137.93 35.47,137.93 33.05,135.5
GND on In2.Cu: 40,17.33 52.55,17.33 49.57,14.35 49.57,7.08 56.25,0.4 54.9,0.4 40,0.4
GND on In2.Cu: 142.3,157.05 145.08,157.05 145.08,152.55 142.3,152.55 142.3,43.4 151.25,43.4 154.3,46.45 171.8,46.45 173.7,48.35 173.7,74.75 174.95,76 189.1,76 190.2,77.1 190.2,142.15 189.2,143.15 179.17,143.15 177.7,144.62 177.7,148 146.35,179.35 142.3,179.35
Net-(D801-A) on Top: 43.32,180.82 46.38,180.82 47.1,180.1 47.1,173.18 44.15,173.18 44.15,176.27 42.57,177.85 42.57,180.07
Net-(D801-A) on Bottom: 43.57,181.3 46.1,181.3 47.38,180.02 47.38,177.7 42.28,177.7 42.28,180.02
Net-(IC801-SW) on Top: 30.71,173.54 28.83,174.98 28.83,178.41 32.9,178.41 32.9,174.98 31.02,173.54 31.02,172.06 30.71,172.06

## Text on the board
B.Silkscreen: Link if / no IC506 | Link if / no IC516 | VA1 | PAL | Cut trace if / fitting diode
F.Silkscreen: 3.3V | R | G | B | Link if / no IC701 | GND | +5V | ~{PAL}/NTSC | Y | ~{JP}/ENG | X | Z | VA1 | Remove ~{YS} link / before fitting | Orient IC / by notch only | https://github.com/Board-Folk/Neptune ©2025-2026 | Powered by / Zaxour 阿宅 | Rev 1.6 July 2026 | 9V 1A
In1.Cu: 2026 | COSAM
